# Allegro board BRD-05058-01_B04.brd (continued)
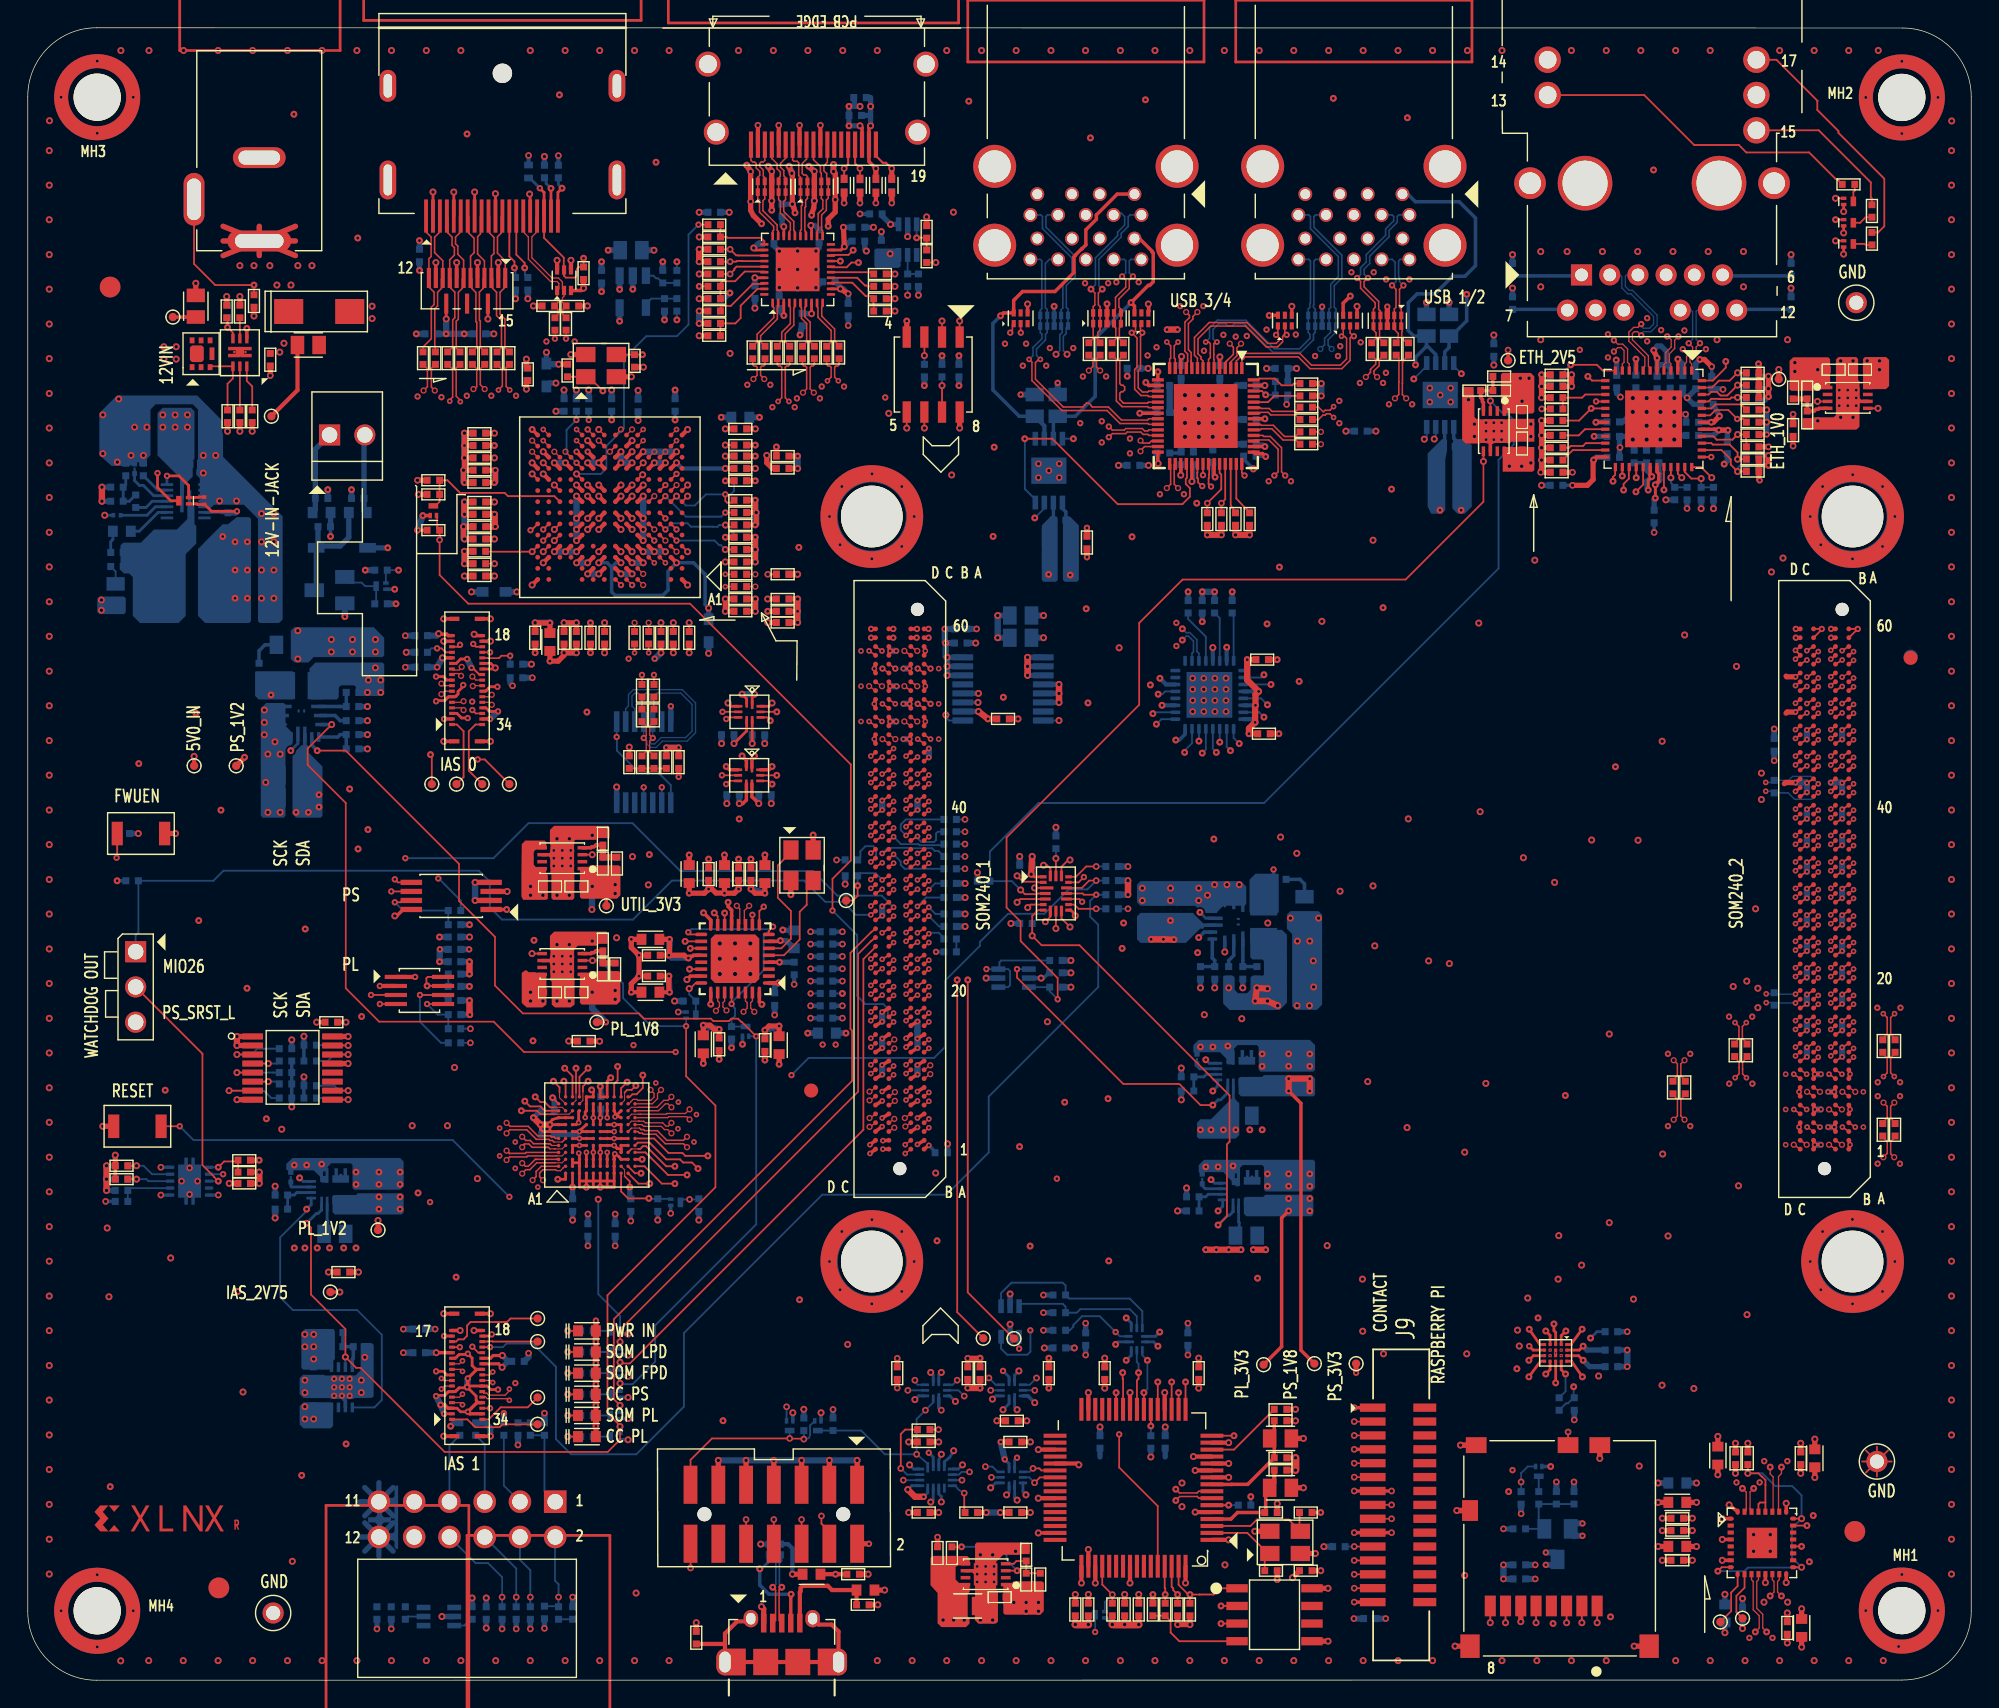
[diagram p0: board, top side]
## Routing (per net, layer and track width the routed paths; a pad name or vN(x,y) marks a point on that pad's centre or on a via; arc(x,y) is an arc through that point) (continued)
  TOP w0.305: C74.2 v4(22.92,47.39) ; U27.M8 v4(41.13,87.67) U27.L8 ; U27.B9 v4(40.33,79.67) ; U27.H6 v4(43.53,85.27) ; U27.H9 v4(40.33,85.27) ; U27.L6 v4(43.53,87.67) ; U27.J8 v4(41.13,86.07) ; U27.D7 v4(42.73,81.27) ; U27.F6 v4(43.53,82.87) ; U27.L9 v4(40.33,87.67) ; U16.1 v2(27.9,50.65) ; U27.G9 v4(40.33,83.67) ; U27.L3 v4(45.93,87.67) ; U27.J9 v4(40.33,86.07) ; U27.J6 v4(43.53,86.07) ; U27.P1 v4(47.53,90.07) ; C63.2 v6(44.03,52.21) ; U27.D8 v4(41.13,81.27) ; U24.13 v4(83.97,16.11) ; U27.G8 v4(41.13,83.67) ; U27.M7 v4(42.73,88.47) ; R171.2 v4(43.33,67.19) ; U27.H7 v4(42.73,85.27) ; J5.5 v1(54.1,111.98) ; U27.H8 v4(41.13,85.27) ; U27.G7 v4(42.73,83.67) ; U27.F9 v4(40.33,82.87) ; J5.11 v1(57.1,111.98) ; C69.2 v6(43.48,49.54) ; U27.J7 v4(42.73,86.07) ; U49.2 v1(61.09,106.38) ; U24.11 v4(84.1,15.11) ; U24.35 v4(72.8,16.61) ; U27.G6 v4(43.53,83.67) ; U24.15 v4(86.51,17.11) ; U27.D12 v4(37.93,81.27) ; U27.A1 v4(47.53,78.87) ; U27.D4 v4(45.13,81.27) ; U24.1 v4(86.51,10.11) ; U27.A14 v4(36.33,78.87) ; U27.D11 v4(38.73,81.27) ; U27.F8 v4(41.13,82.87) ; U27.B7 v4(42.73,79.67) ; U24.51 v4(76.9,7) ; U27.L12 v4(37.93,87.67) ; U27.B6 v4(43.53,79.67) ; U24.10 v4(86.51,14.61) ; U27.L7 v4(42.73,87.67) ; C70.2 v6(44.03,50.71) ; U27.B8 v4(41.13,79.67) ; U27.L11 v4(38.73,87.67) ; J5.8 v1(55.6,111.98) ; U27.D10 v4(39.53,81.27) ; U27.F7 v4(42.73,82.87) ; U27.L4 v4(45.13,87.67) ; U24.25 v4(79.4,20.71) ; U24.5 v4(84.1,12.11) ; U27.D5 v4(44.33,81.27) ; J5.2 v1(52.6,111.98)
  TOP w0.381: v4(52.41,81.42) 52.41,81.43 v6(52.41,82.31) C245.2 ; v4(52.41,81.42) v4(52.41,80.53) C246.2 ; v4(52.41,81.42) R151.2 ; U15.3 v4(34.53,56.8) ; 126.54,64.56 126.62,64.64 v3(127.34,64.64) ; J3.1 v4(59.74,15.83) ; v6(53.34,109.03) v1(53.59,108.66) U50.8 U50.3 v4(53.59,106.54) v6(53.59,105.86) ; C194.2 v4(126.75,2.68) ; C206.2 v4(16.17,89.94) ; C330.2 v1(31.39,87.14) ; v1(31.39,87.14) 31.39,86.31 v6(31.46,86.25) ; v1(31.39,87.14) 31.45,87.2 v4(31.45,88.03) ; C203.2 v4(12.1,100.6) ; C91.2 v1(67.71,21.04) ; C164.2 v1(127.17,91.17) ; L5.1 v4(61.73,6.49) ; SW1.1 v4(10.64,60.97) ; v4(38.63,73.99) 38.63,73.81 38.21,73.39 v6(37.62,73.39) C248.2 ; v4(38.63,73.99) C106.2 ; v4(38.63,73.99) v4(39.52,73.99) C255.2 ; v1(31.39,83.07) 31.39,82.25 v4(31.45,82.18) ; v6(31.46,88.91) 31.45,88.91 v4(31.45,88.03) ; v6(31.46,88.91) 31.45,88.92 v4(31.45,89.8) C258.2 ; v6(31.46,88.91) C338.2 ; C207.2 v4(16.3,98.24) ; C254.2 v4(52.41,77.87) v4(52.41,76.98) C342.2 ; U18.8 v4(15.07,41.81) ; C190.2 v4(123.02,17.06) ; J11.6 v4(107.55,4.22) ; C62.2 v6(43.48,53.35) 43.48,52.76 v6(44.03,52.21) v6(44.03,50.71) 43.48,50.15 v6(43.48,49.54) ; J3.5 v4(55.74,15.83) ; v6(125.4,92.44) v4(125.4,93.01) v4(125.4,93.9) ; U15.2 v4(32.22,56.15) ; C189.2 v4(127.79,2.38) ; C61.2 v6(51.2,59.13) ; U67.3 v2(97.94,98.92) ; C198.2 v4(117.75,8.64) ; R240.2 v4(123.91,17.06) ; C241.2 v6(36.55,73.99) ; U26.5 v4(93.67,2.81) ; R241.2 v4(69.05,12.08) ; R262.2 v4(78.13,4.01) ; C234.2 v4(14.39,89.94) ; C247.2 v6(55.46,76.98) ; v6(55.46,76.98) 55.46,76.17 v4(55.46,76.17) C240.2 ; v6(55.46,76.98) 55.46,76.98 v4(55.46,77.87) C331.2 ; C128.2 v4(23.82,29.39) ; C55.2 v6(53.1,44.66) ; R176.2 v6(52.41,88.95) ; C83.2 v4(91.33,15.13) ; X4.2 v4(43.48,93.87) ; C82.2 v4(90.01,12.72) ; C97.2 v4(80.03,4.01) ; U52.2 v1(62.24,106.38) ; C84.2 v4(91.33,16.02) ; C244.2 v6(52.41,88.15) ; v4(31.45,88.03) C251.2 ; U58.2 v1(59.95,106.38) ; C52.2 v4(6.3,37.81) ; C242.2 v6(52.41,86.37) ; C72.2 v6(52.09,59.13) ; X2.4 v4(88.39,10.73) ; C195.2 v4(121.75,17.56) ; C57.2 v6(49.81,44.72) ; v4(41.19,46.01) 41.19,46.03 C127.2 ; J11.10 v4(102.82,2.45) ; v4(35.92,95.13) 35.92,94.59 C340.2 ; C202.2 v4(117.75,11.66) ; R155.2 v4(47.65,73.99) ; C192.2 v4(127.72,17.06) ; C277.2 v6(90,73.5) ; v4(109.05,93.17) v4(109.05,92.36) C173.2 ; v4(109.05,93.17) C145.2 ; v4(109.05,93.17) v6(109.05,94.01) C146.2 ; v6(51.79,109.1) v1(52.07,108.65) v1(52.07,106.49) 52.07,105.85 52.27,105.48 v6(52.86,104.89) ; v6(56.26,109.03) 56.64,108.66 v1(56.66,108.66) U51.8 U51.3 v4(56.66,106.54) 56.62,106 56.52,105.73 v6(56.47,105.5) ; C54.2 v6(50.19,59.43) ; v2(134.77,2.43) 134.78,2.41 MH1.1 ; U31.4 v6(63.32,97.88) ; C343.2 v6(55.46,88.15) ; R189.2 v4(48.37,98.6) ; C107.2 v4(52.41,90.11) ; C95.2 v4(75.46,4.01) ; v6(55.27,105.67) 55.2,106 v4(55.08,106.29) 55.08,108.56 v1(55.04,108.52) v6(54.84,109.03) ; R174.2 v4(45.62,73.99) ; C200.2 v4(117.75,10.77) ; X3.4 v6(56.58,60.87) ; C85.2 v4(91.33,18.68) ; C101.2 v4(69.81,18.68) ; C58.2 v6(48.66,44.42) ; J3.3 v4(57.74,15.83) ; C99.2 v4(76.4,4.01) ; R135.2 v4(15.28,99.65) ; 126.67,72.31 126.71,72.26 v3(127.34,72.26) ; X2.2 v4(92.76,9.13) ; C103.2 v4(90.01,7.25) ; C80.2 v4(63.46,17.16) ; C239.2 v1(28.07,86.41) ; C92.2 v6(68.6,21.04) ; U15.4 v4(32.22,57.45) ; C332.2 v4(55.46,87.26) ; R188.2 v4(48.37,97.71) ; C59.2 v6(49.05,59.13) ; C158.2 v1(111.28,86.99) ; v6(58.04,109.16) v1(58.04,108.65) 58.17,108.52 v1(58.17,106.62) 58.17,105.73 57.66,105.22 v6(57.66,104.71) ; R190.2 v4(62.47,99.49) ; C205.2 v1(17.47,93.95) ; C326.2 v4(72.22,17.16) ; C56.2 v6(54.13,44.36) ; R221.2 v4(93.18,93.38) ; C93.2 v6(73.56,23.19) ; R187.2 v4(48.37,103.93) ; C275.2 v6(90.13,68.16) ; C235.2 v4(14.33,99.65) ; C100.2 v4(79.02,4.01) ; R206.2 v4(36.42,98.97) ; J3.11 v4(49.74,15.83) ; X3.2 v6(54.97,56.57) ; C87.2 v4(60.54,7.63) ; C89.2 v1(65.54,10.3) ; R116.2 v1(125.4,88.82) ; C105.2 v4(84.35,23.19) ; C49.2 v4(71.34,69.23) ; R50.2 v6(16.67,37.45) ; v3(127.34,69.72) 126.75,69.72 126.67,69.64 ; C50.2 v4(14.51,35.78) ; C60.2 v6(47.65,59.43) ; R194.2 v4(48.37,101.27) ; SW2.1 v4(5.41,39.89) ; R222.2 v4(93.18,92.49) ; J11.9 v4(115.72,2.45) ; U18.1 v4(15.07,46.36) ; R199.2 v4(40.04,100.24) ; R89.2 v4(62.47,101.27) ; C102.2 v4(77.58,23.19) ; C67.2 v6(53.1,59.43) ; C110.2 v2(46.89,65.06) ; C90.2 v1(62.63,21.04) ; J3.9 v4(51.74,15.83) ; C199.2 v4(117.45,9.63) ; X4.4 v4(39.12,95.47) ; C249.2 v6(40.54,76.15) ; C81.2 v4(65.62,12.08) ; C197.2 v4(117.45,12.81) ; J3.7 v4(53.74,15.83) ; U55.2 v1(58.81,106.38) ; C325.2 v4(70.06,12.08) ; C94.2 v4(91.11,7.38) ; C193.2 v4(128.73,17.36) ; U18.2 v4(15.07,45.71) ; R73.2 v4(48.16,4.14)
  TOP w0.406: J11.14 v4(113.24,15.97) ; J11.12 v4(103.21,16.93) ; J11.11 v4(102.94,12.22)
  TOP w0.432: C276.2 v2(76.3,82.99) ; R219.2 v1(87,82.47) v1(88.02,82.47) R220.2
  TOP w0.457: C260.2 v4(55.46,79.64) ; C333.2 v1(31.39,83.07) ; v4(125.4,88.18) v6(125.4,87.49) ; C337.2 v4(31.45,82.18) ; C252.2 v4(31.45,79.52) ; v4(74.29,70.41) v4(74.29,71.06) v4(74.29,71.71) ; C335.2 v4(31.45,83.96) v4(31.45,84.85) C341.2 ; C334.2 v6(31.46,86.25) ; v6(88.29,31) v6(89.18,31) ; v2(82.83,97.26) v2(82.07,97.26) ; v6(68.6,21.04) 68.6,21.04 v1(67.71,21.04) ; v4(15.07,46.36) v4(15.07,45.71)
  TOP w0.559: v4(78.13,4.01) v4(79.02,4.01) v4(80.03,4.01) ; v4(75.46,4.01) v4(76.4,4.01) ; v4(91.33,16.02) v4(91.33,15.13)
  L02_GND w0.127: J16.1 134.01,14.94 ; J16.1 134.01,16.55 ; J16.1 132.4,16.55 ; J16.1 132.4,14.94 ; J15.1 18.48,5.65 ; J15.1 16.87,5.65 ; J15.1 18.48,4.04 ; J15.1 16.87,4.04 ; J17.1 132.53,100.01 ; J17.1 130.92,98.4 ; J17.1 130.92,100.01 ; J17.1 132.53,98.4
  L02_GND w0.203: 110.07,24.38 v7(110.07,23.57) 110.07,22.96
  L02_GND w0.381: 41.16,112.98 J6.22 ; J6.22 43.73,112.98 ; J6.22 41.16,116.66 ; J6.22 43.73,116.66 ; U44.22 103.73,110.65 ; U44.22 100.47,110.65 ; U44.22 103.73,107.39 ; U44.22 100.47,107.39 ; U46.4 73.61,107.91 ; U46.4 73.61,106.13 ; U46.4 71.83,107.91 ; 48.43,110.31 J5.20 ; J5.20 50.77,112.65 ; J5.20 50.77,110.31 ; J5.20 48.43,112.65 ; U46.19 71.29,107.39 ; U46.19 71.29,110.65 ; U46.19 68.02,110.65 ; U46.19 68.02,107.39 ; J6.24 26.85,109.74 ; J6.24 25.04,109.74 ; J6.24 25.04,106.33 ; J6.24 26.85,106.33 ; J6.23 27.23,112.98 ; J6.23 27.23,116.66 ; J6.23 24.66,116.66 ; J6.23 24.66,112.98 ; U44.19 90.59,110.65 ; U44.19 87.33,107.39 ; U44.19 87.33,110.65 ; U44.19 90.59,107.39 ; J10.SH1 109.56,109.15 ; J10.SH1 106.88,109.15 ; J10.SH1 106.88,106.46 ; J10.SH1 109.56,106.46 ; J5.22 65.87,117.55 ; J5.22 63.53,115.21 ; J5.22 63.53,117.55 ; J5.22 65.87,115.21 ; 62.93,110.31 J5.23 ; J5.23 65.27,112.65 ; J5.23 65.27,110.31 ; J5.23 62.93,112.65 ; J6.21 43.35,106.33 ; J6.21 43.35,109.74 ; J6.21 41.54,106.33 ; J6.21 41.54,109.74 ; U46.22 84.43,107.39 ; U46.22 81.16,110.65 ; U46.22 84.43,110.65 ; U46.22 81.16,107.39 ; 75.33,101.43 U46.16 77.11,101.43 ; 124.45,106.46 J10.SH2 ; J10.SH2 127.14,109.15 ; J10.SH2 124.45,109.15 ; J10.SH2 127.14,106.46 ; 14.09,108.21 J12.2 ; J12.2 19.26,108.21 ; J12.2 19.26,111.08 ; J12.2 14.09,111.08 ; 47.83,117.55 J5.21 ; J5.21 47.83,115.21 ; J5.21 50.17,117.55 ; J5.21 50.17,115.21
  L03_SIG w0.127: 16.83,5.69 J15.1 ; J15.1 16.83,4 ; J15.1 18.52,5.69 ; J15.1 18.52,4 ; J17.1 132.57,98.36 ; J17.1 130.88,98.36 ; J17.1 132.57,100.05
  L03_SIG w0.254: 71.8,106.32 U46.4 73.35,108 ; 75.56,101.47 U46.16 77.16,102.92 ; 59,24.5 59,24.25 arc(59.02,24.2) v4(59.06,24.18)
  L03_SIG w0.381: 72.72,108.09 U46.4 71.9,107.84 ; 106.94,106.53 J10.SH1 ; J10.SH1 109.5,109.08 ; J10.SH1 106.94,109.08 ; J10.SH1 109.5,106.53 ; 14.21,110.97 J12.2 ; J12.2 19.15,108.32 ; J12.2 19.15,110.97 ; J12.2 14.21,108.32 ; U46.21 84.36,101.78 ; U46.21 84.36,104.9 ; U46.21 81.23,101.78 ; U46.21 81.23,104.9 ; 47.89,117.49 J5.21 ; J5.21 50.1,117.49 ; J5.21 47.89,115.28 ; J5.21 50.1,115.28 ; J6.23 27.11,113.1 ; J6.23 24.77,116.54 ; J6.23 24.77,113.1 ; J6.23 27.11,116.54 ; J2.10 28.88,11.36 ; J2.10 26.79,11.36 ; J2.10 28.88,9.27 ; J2.10 26.79,9.27 ; U44.21 103.66,101.78 ; U44.21 100.53,104.9 ; U44.21 100.53,101.78 ; U44.21 103.66,104.9 ; 63.59,115.28 J5.22 ; J5.22 65.8,117.49 ; J5.22 65.8,115.28 ; J5.22 63.59,117.49 ; 25,106.3 J6.24 ; J6.24 26.88,106.3 ; J6.24 26.88,109.78 ; J6.24 25,109.78 ; J5.23 65.2,112.59 ; J5.23 62.99,112.59 ; J5.23 65.2,110.38 ; 94.71,101.5 U44.16 96.35,101.5 ; U44.4 92.85,106.2 ; U44.4 91.21,107.84 ; U44.4 92.85,107.84 ; 28.88,11.81 J2.9 26.79,11.81 ; J6.22 43.61,116.54 ; J6.22 41.27,116.54 ; J6.22 43.61,113.1 ; J6.22 41.27,113.1 ; 68.09,110.58 U46.19 ; U46.19 68.09,107.46 ; U46.19 71.22,107.46 ; U46.19 71.22,110.58 ; 48.49,112.59 J5.20 ; J5.20 48.49,110.38 ; J5.20 50.7,112.59 ; U44.19 90.52,107.46 ; U44.19 87.39,110.58 ; U44.19 90.52,110.58 ; U44.19 87.39,107.46 ; 77.05,101.5 U46.16 76.22,101.25 ; v4(85.51,49.86) 85.67,49.86 85.77,49.96 ; 89.33,44.62 88.92,44.22 v6(88.92,44.21) ; 87.39,104.9 U44.20 ; U44.20 90.52,104.9 ; U44.20 90.52,101.78 ; U44.20 87.39,101.78 ; U44.22 103.66,107.46 ; U44.22 103.66,110.58 ; U44.22 100.53,107.46 ; U44.22 100.53,110.58 ; J10.SH2 127.07,106.53 ; J10.SH2 124.52,109.08 ; J10.SH2 124.52,106.53 ; J10.SH2 127.07,109.08 ; 81.23,107.46 U46.22 ; U46.22 84.36,110.58 ; U46.22 81.23,110.58 ; U46.22 84.36,107.46 ; 94.71,104.7 U44.7 96.35,104.7 ; 91.21,104.64 U44.13 ; U44.13 92.85,103 ; U44.13 92.85,104.64 ; 41.5,109.78 J6.21 ; J6.21 41.5,106.3 ; J6.21 43.38,106.3 ; J6.21 43.38,109.78 ; 68.09,104.9 U46.20 ; U46.20 71.22,104.9 ; U46.20 68.09,101.78 ; 71.66,104.28 U46.13 71.9,104.64
  L03_SIG w0.457: v1(72.81,87.6) 72.31,87.42 ; 82.6,75.1 82.6,74.67 v2(82.74,74.48) ; v4(19.96,21.6) 20.52,21.56 ; v4(85.51,49.86) 85.77,49.96 ; 138.81,45.54 v4(138.58,45.17) 139.01,45.11 ; v3(130.7,57) 131.17,57.43 ; v4(12.65,88.2) 13.08,87.68 ; v4(15.5,20.75) 15.11,20.78 ; v4(49.74,15.83) 48.94,15.79 ; v4(85.49,57.29) 85.95,57.32 ; v6(50.58,99.9) 50.34,99.23 ; v4(19.96,20.72) 20.57,20.7 ; v4(8.33,88.2) 8.08,88.49 ; v4(54.14,100.29) 54.66,99.61 ; 130.48,58.9 v3(130.7,58.9) v3(130.71,58.23) ; v6(20.09,37.1) 20.47,36.8 ; 81.61,97.13 v2(82.07,97.26) v2(82.83,97.26) ; v3(130.7,55.09) 131.24,55.57 ; v6(15.78,97.35) 16.13,96.93 ; v4(15.07,46.36) v4(15.07,45.71) 14.78,45.72 14.58,45.49 ; v4(23.82,29.39) 23.44,29.06 ; 22.35,31.11 v6(22.76,31.13) v6(23.65,31.13) ; v4(59.06,24.18) 58.75,24.46 ; v4(22.92,47.39) 22.65,47.8 ; v1(125.81,66.22) 126.21,66.78 ; v1(35.31,16.94) 35.28,17.47 ; v4(105.04,42.98) 105.13,43.4 ; v6(26.43,78.56) 25.83,78.54 ; v2(33.42,24.91) 33.81,25.07 ; v6(24.51,61.26) 24.05,61.24 ; v4(55.46,100.27) 55.42,99.87 ; v6(19.73,14.75) 19.48,14.48 ; v4(31.45,88.03) 31.12,88.08 ; v1(90.69,91.87) 90.68,91.39 ; v6(79.2,93.9) 79.55,93.77 ; v4(24.47,68.1) 23.85,68.05 ; v1(101,92.05) 101.42,91.74 ; v6(90.13,68.16) 90.47,67.86 ; v6(21.17,37.16) 21.21,36.75 ; v6(86.37,74.39) 86.41,75.1 ; v6(90,73.5) 90.72,73.96 ; v4(33.33,26.4) 33.76,26.52 ; v4(24.47,70.12) 23.93,70.05 ; v1(101,93.05) 101.37,93.24 ; v3(127.34,64.64) 127.56,64.79 ; v4(96.53,43.11) 96.54,43.61 ; v6(22.93,17.01) 23.32,17.5 ; v4(123.59,102.88) 123.24,103.04 ; v2(84.73,95.74) 84.48,95.3 ; v4(56.78,100.28) 55.67,99.23 ; v6(50.08,18.69) 49.76,19 ; v2(134.91,48.43) 135.66,47.65
  L04_GND w0.127: 16.87,4.04 J15.1 ; J15.1 18.48,4.04 ; J15.1 18.48,5.65 ; J15.1 16.87,5.65 ; J17.1 132.53,98.4 ; J17.1 130.92,98.4 ; J17.1 130.92,100.01 ; J17.1 132.53,100.01 ; 132.4,16.55 J16.1 ; J16.1 134.01,16.55 ; J16.1 134.01,14.94 ; J16.1 132.4,14.94
  L04_GND w0.381: 81.16,110.65 U46.22 ; U46.22 84.43,110.65 ; U46.22 84.43,107.39 ; U46.22 81.16,107.39 ; J5.23 65.27,110.31 ; J5.23 62.93,110.31 ; J5.23 65.27,112.65 ; J5.23 62.93,112.65 ; 100.47,107.39 U44.22 ; U44.22 103.73,107.39 ; U44.22 100.47,110.65 ; U44.22 103.73,110.65 ; J6.21 43.35,106.33 ; J6.21 41.54,109.74 ; J6.21 43.35,109.74 ; J6.21 41.54,106.33 ; U46.4 73.61,106.13 ; U46.4 71.83,107.91 ; U46.4 73.61,107.91 ; 14.09,108.21 J12.2 ; J12.2 19.26,111.08 ; J12.2 14.09,111.08 ; J12.2 19.26,108.21 ; 25.04,106.33 J6.24 ; J6.24 25.04,109.74 ; J6.24 26.85,109.74 ; J6.24 26.85,106.33 ; 41.16,112.98 J6.22 ; J6.22 43.73,112.98 ; J6.22 41.16,116.66 ; J6.22 43.73,116.66 ; J10.SH1 109.56,109.15 ; J10.SH1 109.56,106.46 ; J10.SH1 106.88,106.46 ; J10.SH1 106.88,109.15 ; U44.19 90.59,110.65 ; U44.19 87.33,110.65 ; U44.19 90.59,107.39 ; U44.19 87.33,107.39 ; J5.21 50.17,115.21 ; J5.21 50.17,117.55 ; J5.21 47.83,117.55 ; J5.21 47.83,115.21 ; 124.45,106.46 J10.SH2 ; J10.SH2 127.14,106.46 ; J10.SH2 124.45,109.15 ; J10.SH2 127.14,109.15 ; J5.20 50.77,112.65 ; J5.20 48.43,110.31 ; J5.20 50.77,110.31 ; J5.20 48.43,112.65 ; U46.19 71.29,107.39 ; U46.19 68.02,107.39 ; U46.19 71.29,110.65 ; U46.19 68.02,110.65 ; 24.66,116.66 J6.23 ; J6.23 27.23,112.98 ; J6.23 27.23,116.66 ; J6.23 24.66,112.98 ; J5.22 65.87,117.55 ; J5.22 65.87,115.21 ; J5.22 63.53,115.21 ; J5.22 63.53,117.55
  L05_SIG w0.127: J17.1 132.53,98.4 ; J17.1 130.92,100.01 ; J17.1 130.92,98.4 ; J17.1 132.53,100.01
  L05_SIG w0.203: v3(128.98,71.54) 129.4,71.62
  L05_SIG w0.254: U46.7 77.34,105.58
  L05_SIG w0.381: 87.42,110.56 U44.19 88.96,111.13 ; U46.19 71.2,110.56 ; U46.19 71.2,107.48 ; U46.19 68.11,110.56 ; U46.19 68.11,107.48 ; U46.22 84.34,107.48 ; U46.22 84.34,110.56 ; U46.22 81.25,110.56 ; U46.22 81.25,107.48 ; J10.SH2 127.05,109.06 ; J10.SH2 124.54,109.06 ; J10.SH2 127.05,106.55 ; J10.SH2 124.54,106.55 ; J10.SH1 109.47,109.06 ; J10.SH1 106.97,109.06 ; J10.SH1 106.97,106.55 ; J10.SH1 109.47,106.55 ; 14.22,110.96 J12.2 ; J12.2 14.22,108.34 ; J12.2 19.14,108.34 ; J12.2 19.14,110.96 ; J6.21 43.35,109.74 ; J6.21 43.35,106.33 ; J6.21 41.54,109.74 ; J6.21 41.54,106.33 ; U44.22 103.64,110.56 ; U44.22 100.56,110.56 ; U44.22 103.64,107.48 ; J6.24 26.85,109.74 ; J6.24 26.85,106.33 ; J6.24 25.04,109.74 ; J6.24 25.04,106.33 ; 41.28,116.53 J6.22 ; J6.22 43.6,116.53 ; J6.22 43.6,113.11 ; J6.22 41.28,113.11 ; 75.17,105.52 U46.7 76.22,106.58 ; 24.78,116.53 J6.23 ; J6.23 24.78,113.11 ; J6.23 27.1,113.11 ; J6.23 27.1,116.53 ; 71.92,107.82 U46.4 ; U46.4 73.52,106.22 ; U46.4 73.52,107.82
  L05_SIG w0.457: v4(55.46,87.26) 56.06,87.22 ; 125.86,88.58 v1(125.4,88.82) v4(125.4,88.18) ; v6(76.37,70.38) 76,71.04 ; v6(55.46,76.98) 55.7,77.38 v4(55.46,77.87) ; v6(55.46,76.98) 55.98,76.83 ; v6(55.46,76.98) 55.79,76.5 v4(55.46,76.17) 56.16,76.1 ; v2(51.84,93.29) 51.84,93.83 ; v4(55.46,100.27) v4(56.78,100.28) 56.69,99.8 ; v4(55.46,100.27) 55.52,99.9 55.47,99.52 ; v4(55.46,100.27) v4(54.14,100.29) 54.08,99.82 ; v6(55.46,88.15) 55.96,88.16 ; v4(55.46,77.87) 55.66,78.15 55.66,79.15 v4(55.46,79.64) ; v4(55.46,77.87) 56.01,77.8 ; v4(116,60.49) 115.6,60.02 ; v4(55.46,79.64) 55.98,79.58 ; v4(55.46,79.64) 55.61,80 55.61,81.02 v6(55.55,81.58) 56.06,81.53 ; v4(111.93,29.89) 111.91,30.66 ; v6(89.18,31) v6(88.29,31) 88.47,31.44
  L06_GND w0.127: J15.1 18.48,5.65 ; J15.1 18.48,4.04 ; J15.1 16.87,5.65 ; J15.1 16.87,4.04 ; J16.1 134.01,16.55 ; J16.1 132.4,14.94 ; J16.1 132.4,16.55 ; J16.1 134.01,14.94 ; 130.92,100.01 J17.1 ; J17.1 132.53,100.01 ; J17.1 130.92,98.4 ; J17.1 132.53,98.4
  L06_GND w0.203: U46.4 71.8,106.27 ; U46.7 77.29,106.12 ; U46.7 76.25,106.8 ; U46.7 75.21,106.17 ; U46.13 71.75,103.07
  L06_GND w0.381: U46.22 84.43,110.65 ; U46.22 81.16,107.39 ; U46.22 81.16,110.65 ; U46.22 84.43,107.39 ; J10.SH2 127.14,106.46 ; J10.SH2 124.45,109.15 ; J10.SH2 127.14,109.15 ; J10.SH2 124.45,106.46 ; J5.23 65.27,110.31 ; J5.23 62.93,112.65 ; J5.23 65.27,112.65 ; J5.23 62.93,110.31 ; 87.33,107.39 U44.19 ; U44.19 90.59,107.39 ; U44.19 87.33,110.65 ; U44.19 90.59,110.65 ; 77.11,104.63 U46.7 75.33,104.63 ; U46.4 73.61,106.13 ; U46.4 73.61,107.91 ; U46.4 71.83,107.91 ; 47.83,115.21 J5.21 ; J5.21 50.17,115.21 ; J5.21 50.17,117.55 ; J5.21 47.83,117.55 ; J6.23 27.23,116.66 ; J6.23 24.66,112.98 ; J6.23 27.23,112.98 ; J6.23 24.66,116.66 ; U46.13 73.61,102.93 ; U46.13 73.61,104.71 ; U46.13 71.83,104.71 ; J12.2 19.26,111.08 ; J12.2 14.09,111.08 ; J12.2 19.26,108.21 ; J12.2 14.09,108.21 ; 25.04,109.74 J6.24 ; J6.24 26.85,106.33 ; J6.24 26.85,109.74 ; J6.24 25.04,106.33 ; J6.22 43.73,112.98 ; J6.22 43.73,116.66 ; J6.22 41.16,112.98 ; J6.22 41.16,116.66 ; 106.88,106.46 J10.SH1 ; J10.SH1 106.88,109.15 ; J10.SH1 109.56,106.46 ; J10.SH1 109.56,109.15 ; J5.20 50.77,112.65 ; J5.20 50.77,110.31 ; J5.20 48.43,112.65 ; J5.20 48.43,110.31 ; 41.54,106.33 J6.21 ; J6.21 43.35,106.33 ; J6.21 43.35,109.74 ; J6.21 41.54,109.74 ; 100.47,107.39 U44.22 ; U44.22 103.73,110.65 ; U44.22 103.73,107.39 ; U44.22 100.47,110.65 ; 68.02,107.39 U46.19 ; U46.19 71.29,107.39 ; U46.19 71.29,110.65 ; U46.19 68.02,110.65 ; J5.22 65.87,115.21 ; J5.22 65.87,117.55 ; J5.22 63.53,117.55 ; J5.22 63.53,115.21
  L07_PWR w0.127: 16.48,4.84 J15.1 ; J15.1 16.78,5.74 ; J15.1 18.57,3.95 ; J15.1 16.78,3.95 ; J15.1 18.87,4.84 ; J15.1 17.68,3.65 ; J15.1 17.68,6.03 ; J15.1 18.57,5.74
  L07_PWR w0.381: J6.24 26.97,106.21 ; J6.24 24.91,109.87 ; J6.24 24.91,108.04 ; J6.24 25.94,106.21 ; J6.24 26.97,109.87 ; J6.24 24.91,106.21 ; J6.24 25.94,109.87 ; J6.24 26.97,108.04 ; J12.2 19.26,108.21 ; J12.2 14.09,111.08 ; J12.2 16.68,111.08 ; J12.2 19.26,111.08 ; J12.2 16.68,108.21 ; J12.2 14.09,109.65 ; J12.2 19.26,109.65 ; J12.2 14.09,108.21 ; J6.23 25.94,116.66 ; J6.23 25.94,112.98 ; J6.23 24.66,112.98 ; J6.23 27.23,116.66 ; J6.23 24.66,116.66 ; J6.23 27.23,112.98 ; J6.23 24.66,114.82 ; J6.23 27.23,114.82
  L07_PWR w0.457: v4(43.25,20.36) 43.28,19.86
  L08_PWR w0.127: 16.48,4.84 J15.1 ; J15.1 18.87,4.84 ; J15.1 16.78,5.74 ; J15.1 17.68,3.65 ; J15.1 16.78,3.95 ; J15.1 17.68,6.03 ; J15.1 18.57,3.95 ; J15.1 18.57,5.74
  L09_GND w0.127: v2(60.82,86.87) 60.8,86.89 60.8,86.91 60.51,87.2 ; J15.1 18.48,4.04 ; J15.1 18.48,5.65 ; J15.1 16.87,4.04 ; J15.1 16.87,5.65 ; 130.92,100.01 J17.1 ; J17.1 132.53,100.01 ; J17.1 132.53,98.4 ; J17.1 130.92,98.4 ; 132.4,16.55 J16.1 ; J16.1 132.4,14.94 ; J16.1 134.01,14.94 ; J16.1 134.01,16.55 ; 60.6,33.57 60.8,33.36 60.8,33.18 v2(60.81,33.17) ; v2(131.44,33.19) 131.45,33.19 131.45,33.54 131.42,33.57
  L09_GND w0.203: U46.16 75.15,102.94 ; U46.16 76.22,103.58 ; U46.16 77.34,102.94 ; U46.13 71.7,103.02 ; U46.4 71.75,106.27 ; U46.7 76.22,106.8
  L09_GND w0.381: 41.54,106.33 J6.21 ; J6.21 43.35,109.74 ; J6.21 43.35,106.33 ; J6.21 41.54,109.74 ; 124.45,106.46 J10.SH2 ; J10.SH2 127.14,109.15 ; J10.SH2 127.14,106.46 ; J10.SH2 124.45,109.15 ; 14.09,108.21 J12.2 ; J12.2 14.09,111.08 ; J12.2 19.26,108.21 ; J12.2 19.26,111.08 ; 41.16,112.98 J6.22 ; J6.22 43.73,112.98 ; J6.22 43.73,116.66 ; J6.22 41.16,116.66 ; J5.21 50.17,115.21 ; J5.21 47.83,115.21 ; J5.21 50.17,117.55 ; J5.21 47.83,117.55 ; 87.33,110.65 U44.19 ; U44.19 90.59,107.39 ; U44.19 90.59,110.65 ; U44.19 87.33,107.39 ; 77.11,104.63 U46.7 75.33,104.63 ; 25.04,109.74 J6.24 ; J6.24 25.04,106.33 ; J6.24 26.85,109.74 ; J6.24 26.85,106.33 ; U46.19 71.29,110.65 ; U46.19 68.02,107.39 ; U46.19 68.02,110.65 ; U46.19 71.29,107.39 ; 48.43,110.31 J5.20 ; J5.20 48.43,112.65 ; J5.20 50.77,110.31 ; J5.20 50.77,112.65 ; J5.22 65.87,117.55 ; J5.22 65.87,115.21 ; J5.22 63.53,115.21 ; J5.22 63.53,117.55 ; J5.23 65.27,110.31 ; J5.23 62.93,112.65 ; J5.23 62.93,110.31 ; J5.23 65.27,112.65 ; J10.SH1 109.56,106.46 ; J10.SH1 106.88,109.15 ; J10.SH1 106.88,106.46 ; J10.SH1 109.56,109.15 ; 81.16,107.39 U46.22 ; U46.22 84.43,107.39 ; U46.22 84.43,110.65 ; U46.22 81.16,110.65 ; J6.23 27.23,116.66 ; J6.23 24.66,112.98 ; J6.23 24.66,116.66 ; J6.23 27.23,112.98 ; U46.4 73.61,106.13 ; U46.4 73.61,107.91 ; U46.4 71.83,107.91 ; 71.83,104.71 U46.13 ; U46.13 73.61,102.93 ; U46.13 73.61,104.71 ; U44.22 103.73,107.39 ; U44.22 103.73,110.65 ; U44.22 100.47,110.65 ; U44.22 100.47,107.39 ; 75.33,101.43 U46.16 77.11,101.43
  L10_SIG w0.381: 73.52,103.02 U46.13 73.17,102.78 ; 68.11,101.8 U46.20 ; U46.20 69.65,101.23 ; U46.20 71.2,101.8
  L10_SIG w0.457: v6(79.55,82.34) 78.53,83.1 ; v10(84.36,91.54) v10(84.36,90.54) v10(84.36,89.54) ; v6(76.25,77.16) 76.17,76.7 ; v6(77.75,99.11) 77.44,98.78 ; v2(81.31,95.99) v2(80.67,95.4) ; v2(78.42,100.68) v2(77.83,100.61) ; v4(62.02,91.23) 62.56,91.23 ; v2(81.56,85.41) 81.33,85.7
  L11_GND w0.127: 132.4,14.94 J16.1 ; J16.1 134.01,14.94 ; J16.1 134.01,16.55 ; J16.1 132.4,16.55 ; J17.1 132.53,100.01 ; J17.1 132.53,98.4 ; J17.1 130.92,100.01 ; J17.1 130.92,98.4 ; J15.1 18.48,5.65 ; J15.1 18.48,4.04 ; J15.1 16.87,5.65 ; J15.1 16.87,4.04
  L11_GND w0.203: U46.16 76.22,103.55 ; U46.7 76.17,106.73 ; U46.13 71.78,103.07 ; U46.4 71.7,106.27
  L11_GND w0.381: 14.09,108.21 J12.2 ; J12.2 19.26,111.08 ; J12.2 14.09,111.08 ; J12.2 19.26,108.21 ; 41.54,109.74 J6.21 ; J6.21 43.35,109.74 ; J6.21 43.35,106.33 ; J6.21 41.54,106.33 ; U46.13 73.61,102.93 ; U46.13 73.61,104.71 ; U46.13 71.83,104.71 ; J6.24 26.85,109.74 ; J6.24 26.85,106.33 ; J6.24 25.04,106.33 ; J6.24 25.04,109.74 ; 24.66,116.66 J6.23 ; J6.23 24.66,112.98 ; J6.23 27.23,112.98 ; J6.23 27.23,116.66 ; J6.22 43.73,116.66 ; J6.22 43.73,112.98 ; J6.22 41.16,112.98 ; J6.22 41.16,116.66 ; J5.23 65.27,110.31 ; J5.23 65.27,112.65 ; J5.23 62.93,112.65 ; J5.23 62.93,110.31 ; U44.19 90.59,107.39 ; U44.19 87.33,110.65 ; U44.19 90.59,110.65 ; U44.19 87.33,107.39 ; 106.88,106.46 J10.SH1 ; J10.SH1 109.56,106.46 ; J10.SH1 106.88,109.15 ; J10.SH1 109.56,109.15 ; 47.83,117.55 J5.21 ; J5.21 50.17,117.55 ; J5.21 50.17,115.21 ; J5.21 47.83,115.21 ; J5.20 50.77,110.31 ; J5.20 48.43,110.31 ; J5.20 50.77,112.65 ; J5.20 48.43,112.65 ; U46.22 84.43,110.65 ; U46.22 81.16,107.39 ; U46.22 81.16,110.65 ; U46.22 84.43,107.39 ; 75.33,104.63 U46.7 77.11,104.63 ; 124.45,106.46 J10.SH2 ; J10.SH2 127.14,109.15 ; J10.SH2 124.45,109.15 ; J10.SH2 127.14,106.46 ; U46.4 73.61,106.13 ; U46.4 73.61,107.91 ; U46.4 71.83,107.91 ; J5.22 65.87,117.55 ; J5.22 65.87,115.21 ; J5.22 63.53,117.55 ; J5.22 63.53,115.21 ; 68.02,110.65 U46.19 ; U46.19 71.29,110.65 ; U46.19 71.29,107.39 ; U46.19 68.02,107.39 ; 100.47,107.39 U44.22 ; U44.22 103.73,110.65 ; U44.22 100.47,110.65 ; U44.22 103.73,107.39 ; 75.33,101.43 U46.16 77.11,101.43
  L12_SIG w0.127: J15.1 18.52,4 ; J15.1 16.83,4 ; J15.1 18.52,5.69 ; J15.1 16.83,5.69 ; 130.88,100.05 J17.1 ; J17.1 132.57,100.05 ; J17.1 132.57,98.36 ; J17.1 130.88,98.36
  L12_SIG w0.203: U46.13 71.85,103.25 U46.20 ; U46.21 80.64,103.15 ; U46.4 71.85,106.32 ; U46.16 76.25,103.5 ; v2(29.99,24.79) 29.99,25.14 ; U46.7 76.22,106.65
  L12_SIG w0.381: 124.52,106.53 J10.SH2 ; J10.SH2 124.52,109.08 ; J10.SH2 127.07,106.53 ; J10.SH2 127.07,109.08 ; 63.59,115.28 J5.22 ; J5.22 63.59,117.49 ; J5.22 65.8,117.49 ; J5.22 65.8,115.28 ; 87.39,104.9 U44.20 ; U44.20 90.52,104.9 ; U44.20 87.39,101.78 ; U44.20 90.52,101.78 ; 24.77,113.1 J6.23 ; J6.23 24.77,116.54 ; J6.23 27.11,113.1 ; J6.23 27.11,116.54 ; U44.4 92.85,106.2 ; U44.4 91.21,107.84 ; U44.4 92.85,107.84 ; v4(31.45,88.03) 31.46,88.03 v6(31.46,88.91) ; U44.22 103.66,107.46 ; U44.22 100.53,110.58 ; U44.22 100.53,107.46 ; U44.22 103.66,110.58 ; J2.9 28.88,13.9 ; J2.9 26.79,11.81 ; J2.9 26.79,13.9 ; J2.9 28.88,11.81 ; U46.20 71.22,101.78 ; U46.20 71.22,104.9 ; U46.20 68.09,104.9 ; U46.20 68.09,101.78 ; J12.2 19.15,110.97 ; J12.2 19.15,108.32 ; J12.2 14.21,110.97 ; J12.2 14.21,108.32 ; 138.96,60.17 v4(138.58,60.17) 138.83,60.63 ; J10.SH1 109.5,106.53 ; J10.SH1 106.94,106.53 ; J10.SH1 109.5,109.08 ; J10.SH1 106.94,109.08 ; U46.22 84.36,110.58 ; U46.22 84.36,107.46 ; U46.22 81.23,107.46 ; U46.22 81.23,110.58 ; J6.24 26.88,109.78 ; J6.24 26.88,106.3 ; J6.24 25,106.3 ; J6.24 25,109.78 ; J5.23 65.2,110.38 ; J5.23 62.99,112.59 ; J5.23 62.99,110.38 ; J5.23 65.2,112.59 ; 77.05,101.5 U46.16 75.4,101.5 ; v4(138.58,37.66) 139.04,38.15 139.01,37.69 v4(138.58,37.66) ; v4(138.58,37.66) 139.06,37.33 139.04,35.5 v4(138.58,35.17) ; U44.19 90.52,107.46 ; U44.19 87.39,110.58 ; U44.19 90.52,110.58 ; U44.19 87.39,107.46 ; 45.13,94.03 43.99,92.88 v4(43.97,92.88) ; 26.79,11.36 J2.10 28.88,11.36 ; 108.25,87.04 108.25,86.93 109.05,86.13 v4(109.05,86.05) ; U46.21 84.36,104.9 ; U46.21 84.36,101.78 ; U46.21 81.23,104.9 ; U46.21 81.23,101.78 ; 95.53,103.39 U44.16 94.46,102.32 ; U46.19 71.22,110.58 ; U46.19 71.22,107.46 ; U46.19 68.09,110.58 ; U46.19 68.09,107.46 ; U46.13 73.55,104.64 ; U46.13 71.9,104.64 ; U46.13 73.55,103 ; J6.21 43.38,106.3 ; J6.21 41.5,109.78 ; J6.21 43.38,109.78 ; J6.22 43.61,116.54 ; J6.22 41.27,113.1 ; J6.22 41.27,116.54 ; J6.22 43.61,113.1 ; 71.9,107.84 U46.4 ; U46.4 73.55,107.84 ; U46.4 73.55,106.2 ; 103.66,104.9 U44.21 102.1,105.46 ; 126.03,87.8 125.59,88.25 125.46,88.25 v4(125.4,88.18) ; 77.05,104.7 U46.7 75.4,104.7 ; 58.59,72.44 58.72,72.56 58.72,73.07 59.77,74.12 v9(60.02,74.12) ; J5.20 50.7,112.59 ; J5.20 48.49,112.59 ; J5.20 48.49,110.38 ; J5.20 50.7,110.38 ; 47.89,117.49 J5.21 ; J5.21 50.1,117.49 ; J5.21 50.1,115.28 ; J5.21 47.89,115.28 ; 95.53,106.59 U44.7 95.53,104.45 ; 91.21,104.64 U44.13 ; U44.13 92.85,103 ; U44.13 92.85,104.64 ; v4(123.71,1.41) 122.14,1.01